# Altium PCB PCB_LU_V2.4PcbDoc.PcbDoc (part 1 of 3) (continued)
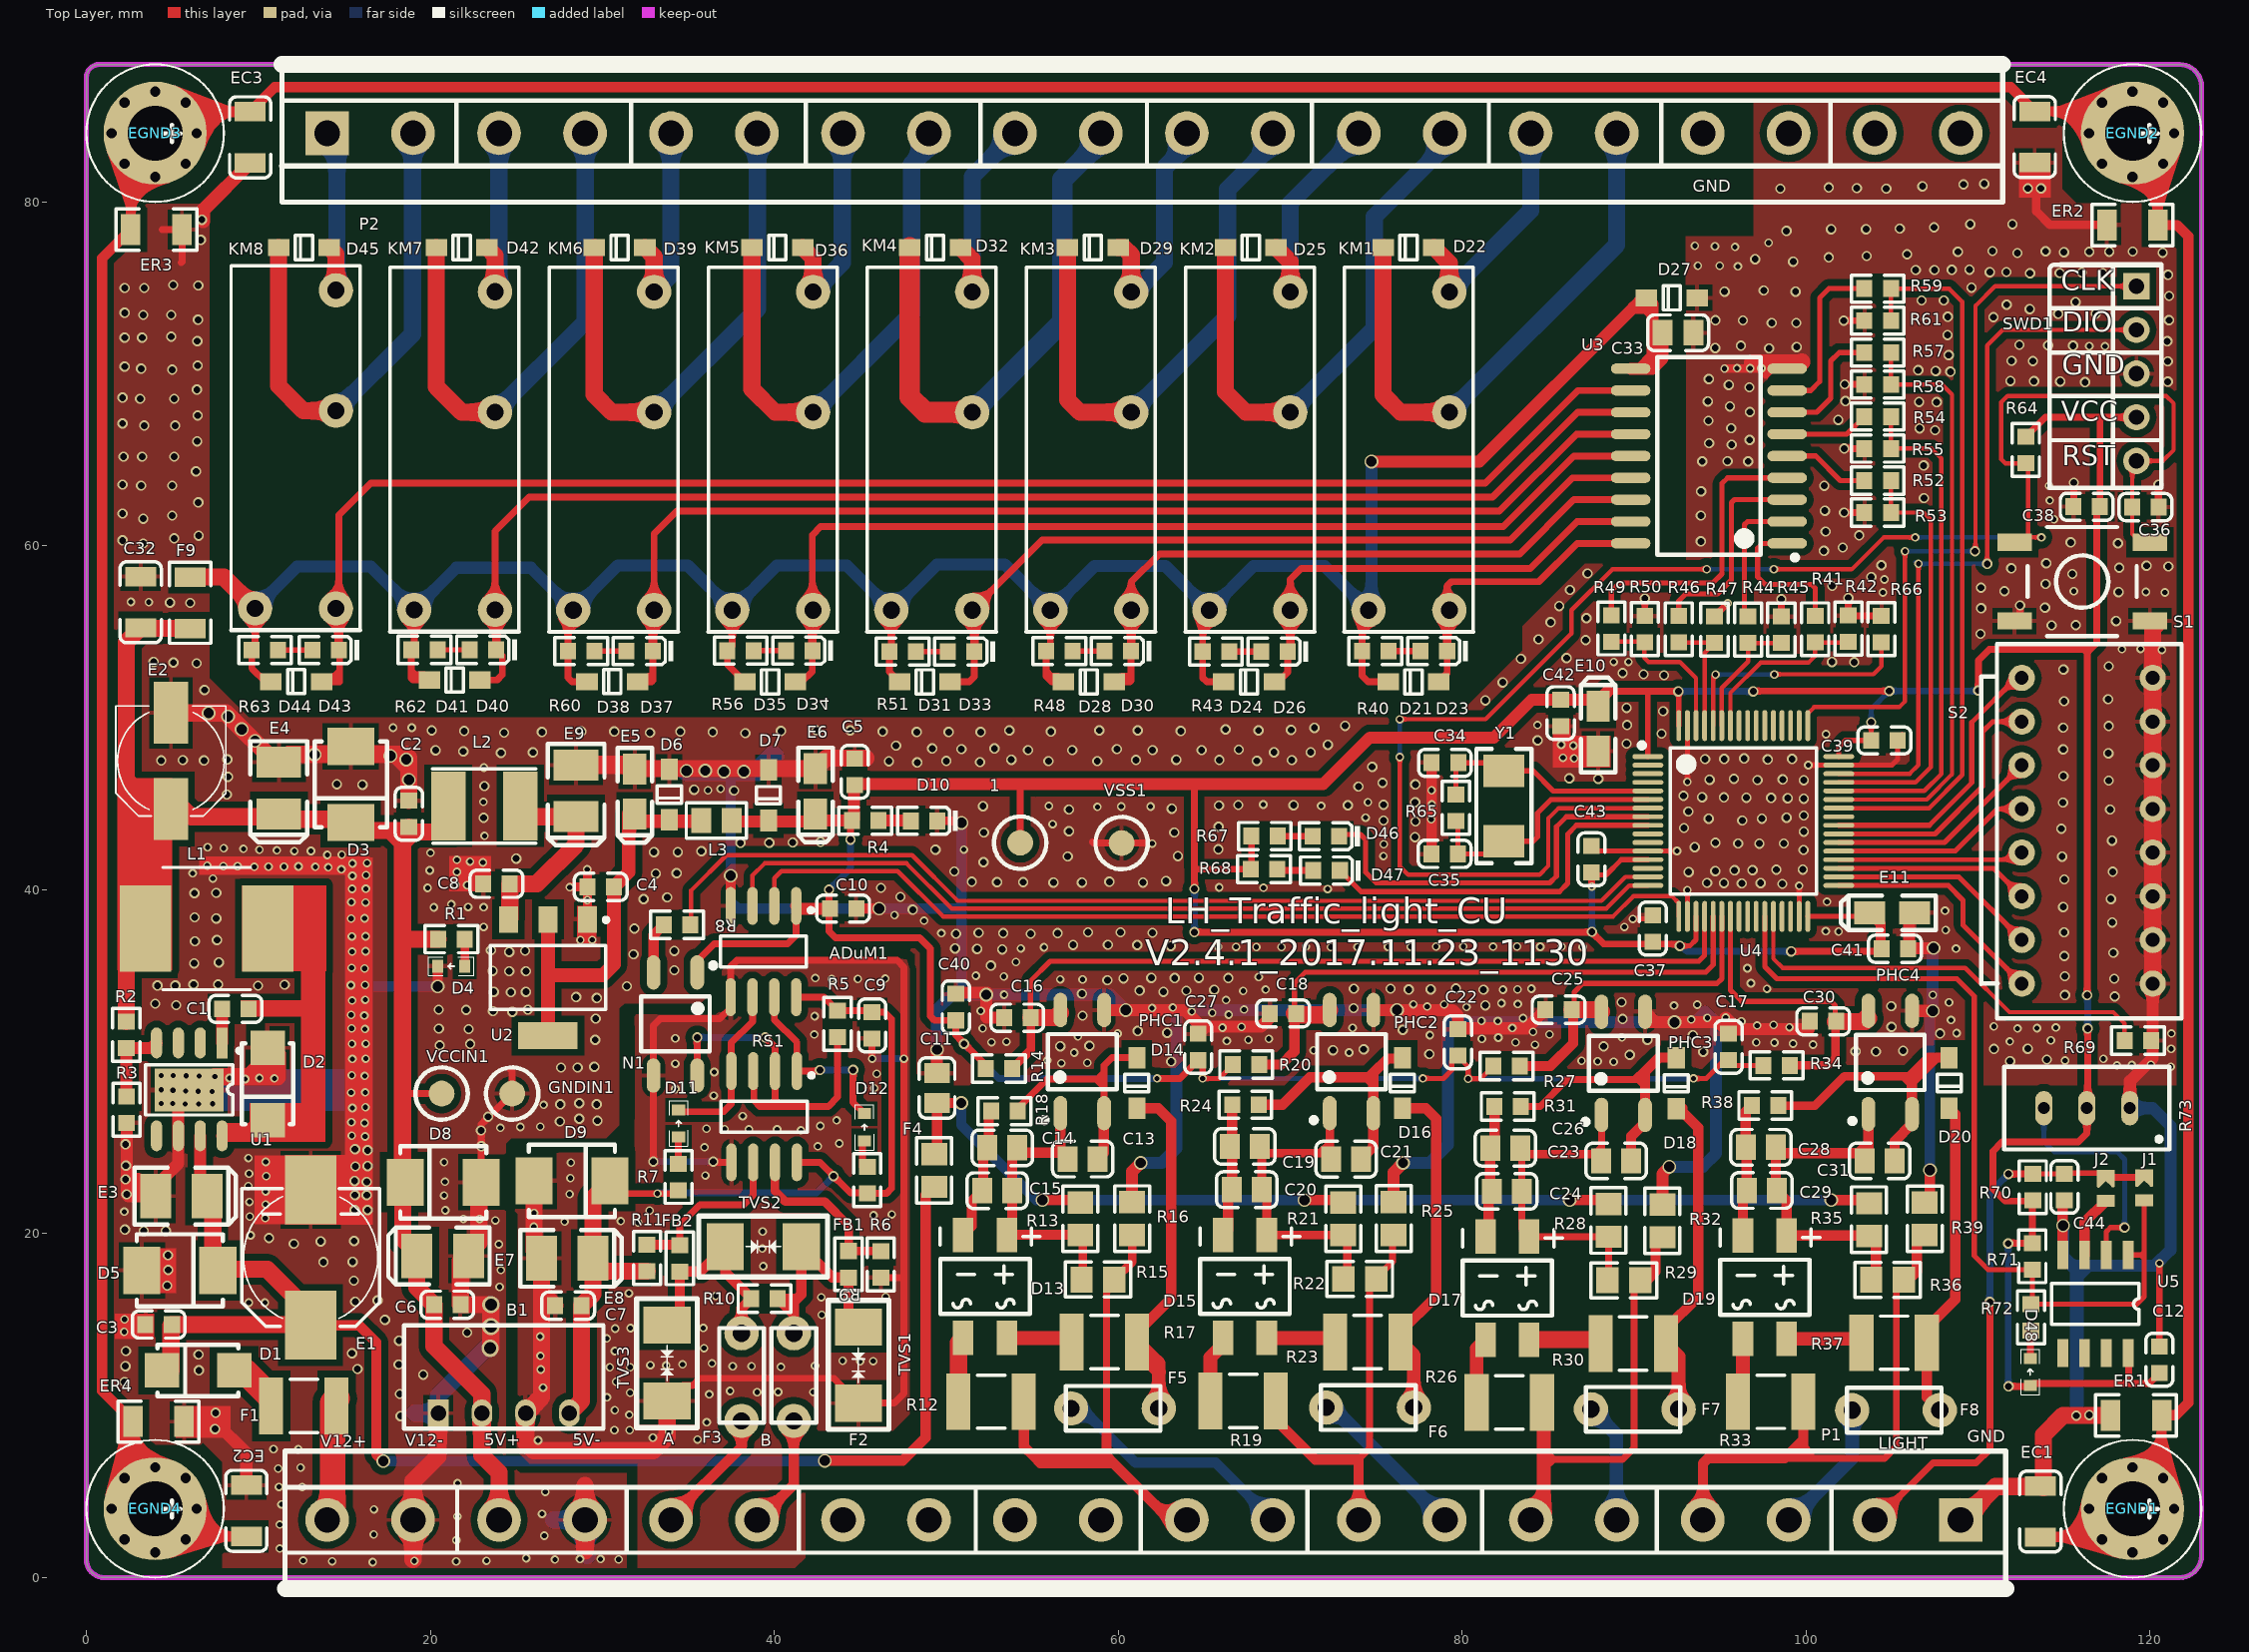
[diagram p0: Top Layer view]
## Components (designator, comment, footprint, x,y, rotation, side; value= is the part's Value field where it differs from the comment) (continued)
J1 "Jump" JT 119.676,22.687 r270 top
J2 "Jump" JT 117.444,22.65 r270 top
KM1 "G5NB-1A-5V" G5NB-1A-5V 74.564,56.268 r0 top
KM2 "G5NB-1A-5V" G5NB-1A-5V 65.314,56.268 r0 top
KM3 "G5NB-1A-5V" G5NB-1A-5V 56.064,56.268 r0 top
KM4 "G5NB-1A-5V" G5NB-1A-5V 46.814,56.268 r0 top
KM5 "G5NB-1A-5V" G5NB-1A-5V 37.564,56.268 r0 top
KM6 "G5NB-1A-5V" G5NB-1A-5V 28.314,56.268 r0 top
KM7 "G5NB-1A-5V" G5NB-1A-5V 19.064,56.276 r0 top
KM8 "G5NB-1A-5V" G5NB-1A-5V 9.814,56.362 r0 top
L1 "Inductor" L-SMD-7 6.99,37.744 r180 top
L2 "22uh" L-40** 23.334,44.878 r0 top
L3 "Inductor" LC-0805_L 36.642,44.026 r0 top
N1 "EL357" lc-sop-4_P2.54 34.252,32.196 r270 top
P1 "Header 20" HDR_5.0_20P 109,3.35 r180 top
P2 "Header 20" HDR_5.0_20P 14,84 r0 top
PHC1 "EL357N(B)(TA)-G" LC-SOP-4_P2.54 57.918,30.004 r90 top
PHC2 "EL357N(B)(TA)-G" LC-SOP-4_P2.54 73.579,30.004 r90 top
PHC3 "EL357N(B)(TA)-G" LC-SOP-4_P2.54 89.382,29.904 r90 top
PHC4 "EL357N(B)(TA)-G" LC-SOP-4_P2.54 104.901,29.954 r90 top
R1 "1K" LC-0603_R 21.236,37.124 r0 top
R2 "10K" LC-0603_R 2.316,31.56 r90 top
R3 "3.24K" LC-0603_R 2.338,27.214 r270 top
R4 "1K" LC-0603_R 45.292,44.018 r0 top
R5 "1K" LC-0603_R 43.682,32.196 r270 top
R6 "1K" LC-0603_R 45.414,23.12 r270 top
R7 "1K" LC-0603_R 34.432,23.298 r90 top
R8 "510R" LC-0603_R 34.344,37.958 r180 top
R9 "1K" LC-0603_R 46.2,18.202 r90 top
R10 "120R" LC-0603_R 39.44,16.222 r0 top
R11 "1K" LC-0603_R 32.605,18.587 r270 top
R12 "4302/1W" 1812 52.616,10.226 r180 top
R13 "Res1" 0805-1 57.808,20.866 r90 top
R14 "10K" LC-0603_R 53.07,29.602 r180 top
R15 "Res1" 0805-1 58.826,17.328 r0 top
R16 "Res1" 0805-1 60.818,20.876 r270 top
R17 "4302/1W" 1812 59.206,13.704 r180 top
R18 "10K" LC-0603_R 53.398,27.124 r180 top
R19 "4302/1W" 1812 67.272,10.274 r180 top
R20 "10K" LC-0603_R 67.451,29.834 r180 top
R21 "Res1" 0805-1 73.096,20.866 r270 top
R22 "Res1" 0805-1 74.056,17.368 r0 top
R23 "4302/1W" 1812 74.514,13.704 r180 top
R24 "10K" LC-0603_R 67.399,27.499 r180 top
R25 "Res1" 0805-1 76.024,20.88 r270 top
R26 "4302/1W" 1812 82.753,10.174 r180 top
R27 "10K" LC-0603_R 82.594,29.75 r180 top
R28 "Res1" 0805-1 88.525,20.766 r270 top
R29 "Res1" 0805-1 89.416,17.286 r0 top
R30 "4302/1W" 1812 89.965,13.604 r180 top
R31 "10K" LC-0603_R 82.662,27.399 r180 top
R32 "Res1" 0805-1 91.656,20.74 r270 top
R33 "4302/1W" 1812 97.951,10.224 r180 top
R34 "10K" LC-0603_R 98.296,29.784 r180 top
R35 "Res1" 0805-1 103.671,20.816 r270 top
R36 "Res1" 0805-1 104.748,17.32 r0 top
R37 "4302/1W" 1812 105.131,13.654 r180 top
R38 "10K" LC-0603_R 97.641,27.449 r180 top
R39 "Res1" 0805-1 106.908,20.864 r270 top
R40 "1K" LC-0603_R 74.968,53.882 r0 top
R41 "200R" LC-0603_R 100.54,55.146 r270 top
R42 "2K" LC-0603_R 102.472,55.182 r90 top
R43 "1K" LC-0603_R 65.686,53.854 r0 top
R44 "200R" LC-0603_R 96.638,55.126 r270 top
R45 "2K" LC-0603_R 98.57,55.126 r90 top
R46 "200R" LC-0603_R 92.606,55.146 r270 top
R47 "2K" LC-0603_R 94.686,55.126 r90 top
R48 "1K" LC-0603_R 56.576,53.88 r0 top
R49 "200R" LC-0603_R 88.686,55.2 r270 top
R50 "2K" LC-0603_R 90.636,55.164 r90 top
R51 "1K" LC-0603_R 47.476,53.854 r0 top
R52 "200R" LC-0603_R 104.174,63.798 r0 top
R53 "2K" LC-0603_R 104.174,61.938 r180 top
R54 "200R" LC-0603_R 104.174,67.519 r0 top
R55 "2K" LC-0603_R 104.174,65.659 r180 top
R56 "1K" LC-0603_R 38.05,53.906 r0 top
R57 "200R" LC-0603_R 104.174,71.239 r0 top
R58 "2K" LC-0603_R 104.174,69.379 r180 top
R59 "200R" LC-0603_R 104.174,74.96 r0 top
R60 "1K" LC-0603_R 28.77,53.88 r0 top
R61 "2K" LC-0603_R 104.174,73.1 r180 top
R62 "1K" LC-0603_R 19.672,53.956 r0 top
R63 "1K" LC-0603_R 10.388,53.938 r0 top
R64 "10K" LC-0603_R 112.79,65.57 r90 top
R65 "1M" LC-0603_R 79.648,44.769 r90 top
R66 "10K" LC-0603_R 104.388,55.164 r270 top
R67 "1K" LC-0603_R 68.528,43.122 r0 top
R68 "1K" LC-0603_R 68.484,41.194 r0 top
R69 "10K" LC-0603_R 119.306,31.222 r180 top
R70 "1K" LC-0603_R 113.196,22.697 r90 top
R71 "1K" LC-0603_R 113.166,18.682 r270 top
R72 "1K" LC-0603_R 113.09,15.13 r90 top
R73 "10K" 3296W 116.338,27.296 r180 top
RS1 "MAX3085E" SOIC-8 39.414,26.802 r270 top
S1 "SW-PB4" sw-4 116.068,57.922 r180 top
S2 "SW-DIP8" SW-DIP8 116.364,43.432 r270 top
SWD1 "Header 5" SWD_5 116.554,71.29 r0 top
TVS1 "P6KE6.8CA" TVS 44.895,14.587 r270 top
TVS2 "P6KE6.8CA" TVS 37.135,19.242 r0 top
TVS3 "P6KE6.8CA" TVS 33.775,10.242 r90 top
U1 "TPS5430" TPS5430 7.89,31.152 r270 top
U2 "ASM1117" SOT223 26.842,34.894 r180 top
U3 "ULN2803" LC-SOIC-18_300mil 94.362,65.226 r90 top
U4 "STM32F103RET6-64" LC-LQFP-64_10x10x05P 96.36,43.998 r270 top
U5 "LM393" sop-8 118.744,18.756 r270 top
VCCIN1 "CHECK" CHECK-B 20.66,28.146 r90 top
VSS1 "CHECK" CHECK-B 60.208,42.712 r270 top
Y1 "25M" LC-SMD-5032_2P 82.436,44.868 r90 top

## Footprints (in the part's own frame and the unit in brackets; to place one, negate y for a bottom-side part, rotate by r counter-clockwise, add the part's x,y. Pads: shape width x height; smd on the part's side, far side on the other; paste and mask are expansions set on the pad)
0603_LED_G [mil]
  rect 25x30 smd: A(-31,1) K(31,1)
  silkscreen extent -52,-20 52,22, body extent -32,-15 31,17, height 24
0805-1 [mm] "0805带丝印"
  rect 1.3x1.5 smd: 1(-0.95,0) 2(0.95,0)
  silkscreen extent -1.91,-1.02 1.91,1.02, body extent -1,-0.62 1,0.63, height 0.5
1812 [mm] "Chip Capacitor, Body 4.5x3.2"
  rect 1.4x3.3 smd: 1(-1.9,0) 2(1.9,0)
  silkscreen extent -0.8,-1.55 0.8,1.55, body extent -2.4,-1.7 2.4,1.7, height 1.4
3296W [mm]
  oval 1x2 hole 0.7: 1(-2.5,0) 2(0,0) 3(2.5,0)
  silkscreen extent -4.8,-2.4 4.8,2.4
B0505D-1WR2 [mm]
  rect 1.2x1.6 hole 0.9: 1(0,0)
  oval 1.2x1.6 hole 0.9: 2(2.54,0) 3(5.08,0) 4(7.62,0)
  silkscreen extent -1.99,-0.9 9.61,5.1
C-RB-SD6 [mm] "贴?"
  rect 3.6x2 smd: 1(-2.794,0) 2(2.794,0)
  silkscreen extent -3.2,-3.2 3.2,3.2
C-RB-SD8 [mm] "贴?"
  rect 4x3 smd: 1(-3.937,0) 2(3.937,0)
  silkscreen extent -4,-4 4,4, body extent -3.95,-3.99 4.02,3.99, height 8
CHECK-B [mm]
  round 1.5 smd: 1(0,0)
  silkscreen extent -1.52,-1.52 1.52,1.52
G5NB-1A-5V [mm]
  round 2 hole 1: 1(0,0) 2(4.7,11.5) 3(4.7,18.5) 4(4.7,0)
  silkscreen extent -1.4,-1.27 6.1,19.94, body extent -1.4,-1.27 6.1,19.94, height 12
H-6-3.2 [mm]
  round 6 hole 3.2: 0(0,0)
  silkscreen extent -4,-4 4,4
HDR_5.0_20P [mm]
  rect 2.54x2.54 hole 1.5: 1(0,0)
  round 2.54 hole 1.5: 2(5,0) 3(10,0) 4(15,0) 5(20,0) 6(25,0) 7(30,0) 8(35,0) 9(40,0) 10(45,0) 11(50,0) 12(55,0) 13(60,0) 14(65,0) 15(70,0) 16(75,0) 17(80,0) 18(85,0) 19(90,0) 20(95,0)
  silkscreen extent -2.64,-4 97.44,4
JT [mm]
  rect 0.6x1.04 smd: 1(-0.745,0)
  oval 0.8x0.2 smd: 1(-0.428,0.42) 1(-0.425,-0.42)
  oval 0.2x0.4 smd rot 45: 1(-0.425,-0.3)
  oval 0.2x0.4 smd rot 135: 1(-0.415,0.295)
  oval 0.2x0.75 smd rot 135: 1(-0.327,0.217)
  oval 0.2x0.75 smd rot 45: 1(-0.327,-0.215)
  rect 0.7x1.04 smd: 2(0.745,0)
L-40** [mm]
  rect 2x4 smd: 1(-2.286,0) 2(1.905,0)
  silkscreen extent -3.21,-2.16 2.79,2.16, body extent -2.67,-2.1 2.54,2.1, height 4
L-SMD-7 [mm]
  rect 3x5 smd: 1(-3.556,0) 2(3.556,0)
  silkscreen extent -2.54,-3.56 2.54,3.56, body extent -3.56,-3.56 3.56,3.56, height 4
LC-0603_C [mm]
  rect 0.93x0.98 smd: 1(-0.77,0) 2(0.77,0)
  silkscreen extent -1.53,-0.79 1.54,0.79, body extent -0.8,-0.4 0.8,0.4, height 0.3
LC-0603_L [mm]
  rect 0.93x0.98 smd: 1(-0.77,0) 2(0.77,0)
  silkscreen extent -1.53,-0.79 1.54,0.79, body extent -0.82,-0.41 0.83,0.41, height 0.46
LC-0603_LED_S1 [mm]
  rect 0.93x0.98 smd: A(0.77,0) K(-0.77,0)
  silkscreen extent -1.97,-0.79 1.54,0.79, body extent -0.8,-0.4 0.8,0.4, height 0.6
LC-0603_R [mm]
  rect 0.93x0.98 smd: 1(-0.77,0) 2(0.77,0)
  silkscreen extent -1.54,-0.79 1.53,0.79, body extent -0.85,-0.4 0.85,0.4, height 0.56
LC-0805_C#1 [mm]
  rect 1.16x1.47 smd: 1(-0.875,0) 2(0.875,0)
  silkscreen extent -1.76,-1.04 1.76,1.04, body extent -1,-0.62 1,0.63, height 0.77
LC-0805_C#2 [mm]
  rect 1.16x1.47 smd: 1(-0.89,0) 2(0.89,0)
  silkscreen extent -1.77,-1.04 1.77,1.04, body extent -1,-0.62 1,0.63, height 0.77
LC-0805_L [mm]
  rect 1.16x1.47 smd: 1(-0.875,0) 2(0.875,0)
  silkscreen extent -1.76,-1.04 1.76,1.03, body extent -1.02,-0.64 1.03,0.64, height 0.6
LC-1206_C [mm]
  rect 1.13x1.8 smd: 1(-1.49,0) 2(1.49,0)
  silkscreen extent -2.36,-1.2 2.35,1.2, body extent -1.6,-0.81 1.6,0.79, height 1
LC-1206_R [mm]
  rect 1.13x1.8 smd: 1(-1.49,0) 2(1.49,0)
  silkscreen extent -2.36,-1.2 2.35,1.2, body extent -1.7,-0.86 1.65,0.87, height 0.85
LC-CASE-A_3216 [mm]
  rect 1.8x1.35 smd: 1(1.31,0) 2(-1.31,0)
  silkscreen extent -2.54,-1 2.97,1, body extent -1.7,-0.84 1.7,0.84, height 1.71
LC-CASE-B_3528 [mm]
  rect 1.8x2.6 smd: 1(1.5,0) 2(-1.5,0)
  silkscreen extent -2.73,-1.65 3.16,1.65, body extent -1.85,-1.47 1.85,1.46, height 2.03
LC-LQFP-64_10x10x05P [mm]
  oval 0.28x1.8 smd mask+0.051: 1(-3.75,-5.55) 2(-3.25,-5.55) 3(-2.75,-5.55) 4(-2.25,-5.55) 5(-1.75,-5.55) 6(-1.25,-5.55) 7(-0.75,-5.55) 8(-0.25,-5.55) 9(0.25,-5.55) 10(0.75,-5.55) 11(1.25,-5.55) 12(1.75,-5.55) 13(2.25,-5.55) 14(2.75,-5.55) 15(3.25,-5.55) 16(3.75,-5.55) 33(3.75,5.55) 34(3.25,5.55) 35(2.75,5.55) 36(2.25,5.55) 37(1.75,5.55) 38(1.25,5.55) 39(0.75,5.55) 40(0.25,5.55) 41(-0.25,5.55) 42(-0.75,5.55) 43(-1.25,5.55) 44(-1.75,5.55) 45(-2.25,5.55) 46(-2.75,5.55) 47(-3.25,5.55) 48(-3.75,5.55)
  oval 1.8x0.28 smd mask+0.051: 17(5.55,-3.75) 18(5.55,-3.25) 19(5.55,-2.75) 20(5.55,-2.25) 21(5.55,-1.75) 22(5.55,-1.25) 23(5.55,-0.75) 24(5.55,-0.25) 25(5.55,0.25) 26(5.55,0.75) 27(5.55,1.25) 28(5.55,1.75) 29(5.55,2.25) 30(5.55,2.75) 31(5.55,3.25) 32(5.55,3.75) 49(-5.55,3.75) 50(-5.55,3.25) 51(-5.55,2.75) 52(-5.55,2.25) 53(-5.55,1.75) 54(-5.55,1.25) 55(-5.55,0.75) 56(-5.55,0.25) 57(-5.55,-0.25) 58(-5.55,-0.75) 59(-5.55,-1.25) 60(-5.55,-1.75) 61(-5.55,-2.25) 62(-5.55,-2.75) 63(-5.55,-3.25) 64(-5.55,-3.75)
  silkscreen extent -4.55,-6.05 4.25,4.25
LC-MBS [mm]
  rect 2x1.2 smd: 1(3,-1.27) 2(-3,1.27) 3(3,1.27) 4(-3,-1.27)
  silkscreen extent -3.4,-2.6 1.6,3.2
LC-SMA(DO-214AC)_S1 [mm]
  rect 2x2 smd: 1(2.1,0) 2(-2.1,0)
  silkscreen extent -2.35,-1.5 2.35,1.5
LC-SMB(DO-214AA)_S1 [mm]
  rect 2.159x2.743 smd: 1(2.21,0) 2(-2.21,0)
  silkscreen extent -2.5,-2.1 2.5,2.1
LC-SMD-5032_2P [mm]
  rect 1.9x2.4 smd: 1(-2.05,0) 2(2.05,0)
  silkscreen extent -3.32,-1.6 3.32,1.6
LC-SOD-123 [mm]
  rect 1.25x1 smd: 1(1.475,0) 2(-1.475,0)
  silkscreen extent -0.5,-0.7 0.5,0.7, body extent -1.85,-0.77 1.85,0.78, height 1.35
LC-SOIC-18_300mil [mm]
  oval 0.6x2.3 smd: 1(-5.08,-4.55) 2(-3.81,-4.55) 3(-2.54,-4.55) 4(-1.27,-4.55) 5(0,-4.55) 6(1.27,-4.55) 7(2.54,-4.55) 8(3.81,-4.55) 9(5.08,-4.55) 10(5.08,4.55) 11(3.81,4.55) 12(2.54,4.55) 13(1.27,4.55) 14(0,4.55) 15(-1.27,4.55) 16(-2.54,4.55) 17(-3.81,4.55) 18(-5.08,4.55)
  silkscreen extent -6.05,-5.15 5.75,3
lc-sop-4_P2.54 [mm]
  oval 2x0.8 smd: 1(-3,1.27) 2(-3,-1.27) 3(3,-1.27) 4(3,1.27)
  silkscreen extent -3.55,-2 1.6,2.35
LC-SOP-4_P2.54 [mm]
  oval 2x0.8 smd: 1(-3,1.27) 2(-3,-1.27) 3(3,-1.27) 4(3,1.27)
  silkscreen extent -3.55,-2 1.6,2.35
ntc250v [mm]
  round 2 hole 1: 1(0,0) 2(5.1,0)
  silkscreen extent -0.3,-1.3 5.2,1.3
SOIC-8 [mm]
  oval 2.2x0.6 smd: 1(-2.654,1.905) 2(-2.654,0.635) 3(-2.654,-0.635) 4(-2.654,-1.905) 5(2.654,-1.905) 6(2.654,-0.635) 7(2.654,0.635) 8(2.654,1.905)
  silkscreen extent -2.52,-2.5 0.9,2.88, body extent -3,-2.45 3,2.45, height 1.7
sop-8 [mil]
  rect 65x25 smd: 1(0,0) 2(0,-50) 3(0,-100) 4(0,-150) 5(224.41,-150) 6(224.41,-100) 7(224.41,-50) 8(224.41,0)
  silkscreen extent 65,-175 159,25
SOT223 [mm]
  rect 1.1x1.55 smd: 1(-2.3,-3.375) 2(0,-3.375) 3(2.3,-3.375)
  rect 3.45x1.55 smd: 4(0,3.375)
  silkscreen extent -3.5,-3.48 3.35,1.85, body extent -3.25,-3.48 3.25,3.48, height 1.7
sw-4 [mm]
  rect 2x1 smd: 1(-3.937,2.286) 2(-3.937,-2.286) 3(3.937,-2.286) 4(3.937,2.286)
  silkscreen extent -3.17,-3.18 3.17,3.18, body extent -3.18,-3.18 3.18,3.18, height 6
SW-DIP8 [mil]
  round 60 hole 31.5: 1(-350,-150) 2(-250,-150) 3(-150,-150) 4(-50,-150) 5(50,-150) 6(150,-150) 7(250,-150) 8(350,-150) 9(350,150) 10(250,150) 11(150,150) 12(50,150) 13(-50,150) 14(-150,150) 15(-250,150) 16(-350,150)
  silkscreen extent -427,-243 430,216, body extent -427,-194 435,206, height 272
SWD_5 [mil]
  rect 60.63x60 hole 35: 1(105,150)
  oval 60.63x60 hole 35: 2(105,50) 3(105,-50) 4(105,-150) 5(105,-250)
  silkscreen extent -94,-312 162,199
TPS5430 [mm]
  rect 1.8x0.65 smd: 1(0.061,0)
  oval 1.8x0.65 smd: 2(0.061,-1.27) 3(0.061,-2.54) 4(0.061,-3.81) 5(5.461,-3.81) 6(5.461,-2.54) 7(5.461,-1.27) 8(5.461,0)
  rect 2.5x4 smd: 9(2.794,-1.905)
  silkscreen extent 0.39,-4.44 4.25,1.14, body extent -0.21,-4.35 5.79,0.55, height 1.7
TVS [mil]
  rect 85x107.99 smd: 1(0.98,0) 2(175,0)
  silkscreen extent -60,-69 235,70

## Part data
1: library part CHE, "测试点"
C1 C2 C3 C4 C5 C8 C37 C38 C39 C40 C41 C42 C43 C44: library part CAP, "Capacitor"
C6 C7 C11 C12 C13 C14 C15 C16 C17 C18 C19 C20 C21 C22 C23 C24 C25 C26 C27 C28 C29 C30 C31 C34 C35 C36 EC1 EC2 EC3 EC4: library part Cap, "Capacitor"
C9 C10: library part CAP
C32 C33: library part "0805 1uF (105) 10% 50V", "贴片电容"
D1: library part D, "二极管"
D2: library part Dio, "稳压二极管"
D3 D5 D6 D7 D8 D9: library part ZENER3, "Zener Diode"
D10: library part "0603 红灯", "发光二极管"
D11 D12 D46 D47 D48: library part 0, "发光二极管"
D13 D15 D17 D19: library part MBS, "整流桥"
D14 D16 D18 D20 D21 D22 D24 D25 D27 D28 D29 D31 D32 D35 D36 D38 D39 D41 D42 D44 D45: library part Diode, "Default Diode"
D23 D26 D30 D33 D34 D37 D40 D43: library part "0805 白灯", "发光二极管"
E1 E2 E4 E5 E6 E7 E8 E9 E10 E11: library part ELECTRO2, "Electrolytic Capacitor"
E3: library part ELECTRO1, "Electrolytic Capacitor"
ER1 ER2 ER3 ER4 R2 R3 R5 R6 R7 R8 R66 R69: library part RES2
F1: "可恢复保险丝"
F2 F3 F4: library part F, "保险丝"
F5 F6 F7 F8: library part Fuse1, "保险丝"
F9: "保险丝"
FB1 FB2 R1 R4 R12 R14 R17 R18 R19 R20 R23 R24 R26 R27 R30 R31 R33 R34 R37 R38 R40 R41 R42 R43 R44 R45 R46 R47 R48 R49 R50 R51 R52 R53 R54 R55 R56 R57 R58 R59 R60 R61 R62 R63 R64 R65: library part Res2, "Resistor"
GNDIN1 VCCIN1 VSS1: library part C, "测试点"
L1 L2 L3: library part Ind, "电感"
N1: library part ST188, "反射式光电传感器"
P1 P2: "Header, 20-Pin"
PHC1 PHC2 PHC3 PHC4: library part EL357N, "贴片光耦"
R9 R10 R11: library part RES
R13 R15 R16 R21 R22 R25 R28 R29 R32 R35 R36 R39 R67 R68 R70 R71 R72: library part R, "贴片电阻"
R73: library part RPot, "Potentiometer"
S1: library part SW-, "微动开关"
S2: "4009 Series DIP Switch, Raised actuator"
SWD1: "Header, 5-Pin"
TVS1 TVS2 TVS3: library part TVS, "TVS"
U2: library part ASM1, "3.3V稳压芯片"
U4: library part STM32F103RBT6
Y1: library part XTAL, "Crystal Oscillator"

## Via types
v1: diameter 0.6, hole 0.4, Top Layer to Bottom Layer, 594 vias
v2: diameter 0.5, hole 0.3, Top Layer to Bottom Layer, 446 vias
v3: diameter 0.8, hole 0.6, Top Layer to Bottom Layer, 68 vias
v4: diameter 1, hole 0.7, Top Layer to Bottom Layer, 3 vias

## Nets (pads, with @x,y where several pads share a name; then routed paths per layer and width w, separated by ;. In a path a pad name is that pad's centre, name@x,y a point inside that pad or via, vN(x,y) a via of type N, cw(c..) or ccw(c..) an arc to the next point about the centre after c; other vN are vias at no path point)
3V3: 1.1 ADuM1.1 C5.2 C10.2 C12.1 C17.1 C22.1 C27.1 C37.2 C38.2 C39.2 C40.2 C41.2 C42.2 C43.2 D7.2 D48.A E6.1 E10.1 E11.1 L3.2 N1.1 R4.1 R14.2 R20.2 R27.2 R34.2 R64.2 R67.1 R68.1 R70.1 R71.1 R73.2 SWD1.4 U4.1 U4.13 U4.19 U4.32 U4.48 U4.64 U5.8 | length 341.8
  Top Layer w0.3: R14.2@52.3,29.602 R14.2@52.3,29.804 ; 55,46.152 55.202,45.95 ; 64.382,46.092 64.434,46.144 ; C27.1@64.654,30.08 64.636,30.062 C27.1@64.916,29.782 ; v2(64.916,29.024) 65.871,29.024 R20.2@66.681,29.834 ; v2(77.726,29.026) 78.924,29.026 79.404,29.506 79.404,29.998 C22.1@79.736,30.33 ; C22.1@79.758,30.352 C22.1@79.736,30.33 ; R27.2@81.824,29.75 81.082,29.008 v2(80.36,29.008) 80.36,29.706 C22.1@79.736,30.33 ; C43.2@87.552,40.864 88.386,40.864 89.27,41.748 U4.13@90.81,41.748 ; U4.1@90.81,47.748 90.81,51.536 ; v1@92.558,36.846 v1(92.672,36.732) 93.244,36.732 93.61,37.098 U4.19@93.61,38.448 ; U4.64@92.61,49.548 v1@92.61,51.546 ; v2(93.46,29.024) 94.2,29.024 95.294,30.118 C17.1@95.536,30.118 ; C17.1@95.784,30.118 C17.1@95.536,30.118 ; R34.2@97.526,29.784 95.87,29.784 C17.1@95.536,30.118 ; U4.32@100.11,38.448 103.486,38.448 E11.1@103.702,38.664 ; U4.48@101.91,47.748 101.91,48.3 102.294,48.684 C39.2@103.796,48.684 v1(103.796,49.744) ; v1(111.764,19.426) v1@111.79,19.452 ; D48.A@113.082,11.122 D48.A@113.252,11.292 ; R71.1@113.166,19.452 R71.1@113.188,19.43 ; R70.1@113.166,21.897 R70.1@113.196,21.927
  Top Layer w0.4: N1.1@35.522,35.196 35.522,35.864 36.518,36.86 40.778,36.86 41.279,37.361 ADuM1.1@41.279,39.06 ; v1(43.19,40.006) 43.19,37.572 43.558,37.204 48.458,37.204 49.08,36.582 49.08,32.648 49.326,32.402 C40.2@50.568,32.402 50.568,31.536 R14.2@52.3,29.804 ; v1(44.438,42.918) 44.438,43.934 R4.1@44.522,44.018 ; 1.1@54.306,42.734 54.306,46.152 ; v2(62.268,29.026) 63.6,29.026 C27.1@64.636,30.062 ; v1(64.434,37.532) 87.548,37.532 88.234,36.846 v1@92.558,36.846 ; 64.434,46.144 64.434,41.248 ; v1(64.44,40.048) 64.44,41.242 64.434,41.248 ; v2(64.916,29.024) C27.1@64.916,29.782 ; R68.1@67.714,41.194 64.488,41.194 64.434,41.248 ; R68.1@67.758,41.238 R67.1@67.758,43.122 ; v2(87.55,40.192) C43.2@87.55,41.052 ; E10.1@87.832,51.126 E10.1@88.062,51.126 ; E10.1@88.482,51.546 v1@92.61,51.546 ; v1(96.936,51.538) 96.94,51.534 96.964,51.558 v1(104.848,51.558) ; v1(99.144,36.414) 104.256,36.414 C41.2@104.346,36.504 ; v1(110.03,51.588) 110.03,53.35 110.662,53.982 116.152,53.982 ; v1(111.786,11.122) D48.A@113.082,11.122 ; v1@111.79,19.452 R71.1@113.166,19.452 113.166,21.897 111.589,21.897 110.87,22.616 110.87,24.794 111.404,25.328 115.838,25.328 116.338,25.828 R73.2@116.338,27.296 116.388,27.346 v1(116.388,31.93) ; R64.2@112.79,66.34 113.93,67.48 SWD1.4@119.221,67.48 ; D48.A@113.252,11.292 118.782,11.292 ; v1(116.36,33.872) 116.36,53.774 ; 116.44,53.854 116.36,53.774 ; C38.2@116.916,62.204 116.916,54.354 116.544,53.982 116.152,53.982 ; C38.2@117.102,62.276 117.102,67.446 ; U5.8@118.744,13.056 118.782,13.018 118.782,11.292 ; C12.1@120.558,11.894 119.956,11.292 118.782,11.292 ; 116.152,53.982 116.36,53.774
  Top Layer w0.6: E11.1@103.702,38.664 104.346,38.02 C41.2@104.346,36.504
  Top Layer w0.7: L3.2@37.517,43.978 41.956,43.978 E6.1@42.396,44.418 42.796,44.018 R4.1@44.522,44.018 ; ADuM1.1@41.279,39.06 41.437,38.902 C10.2@42.944,38.902 ; R4.1@44.628,44.124 C5.2@44.628,46.084 ; C5.2@44.628,46.152 54.306,46.152 55,46.152 71.938,46.152 74.642,48.856 81.86,48.856 84.046,51.042 C42.2@85.74,51.042 87.978,51.042 E10.1@88.482,51.546
  Bottom Layer w0.3: v2(64.916,29.024) 77.724,29.024 v2(77.726,29.026) ; v2@80.444,28.924 v2(80.36,29.008) 93.444,29.008 v2(93.46,29.024) ; v1(103.796,49.744) 103.796,50.506 v1(104.848,51.558) ; v1@111.764,11.144 v1(111.786,11.122)
  Bottom Layer w0.4: v1(43.19,40.006) 44.438,41.254 v1(44.438,42.918) ; v1(51.044,31.04) 53.058,29.026 v2(62.268,29.026) ; v1(64.434,37.532) 64.44,37.538 v1(64.44,40.048) ; v1(87.556,37.55) v2@87.556,40.186 ; v1(92.582,51.538) v1(96.936,51.538) ; v1(92.672,36.732) 92.772,36.732 93.09,36.414 v1(99.144,36.414) ; v1(104.848,51.558) 110,51.558 v1(110.03,51.588) ; v1@111.764,11.144 v1(111.764,19.426) ; v1@116.338,33.85 116.388,33.8 v1(116.388,31.93)
A/D_IN1: P1.10 R12.1 R15.2 R16.2 | length 32.3
  Top Layer w0.4: 59.33,8.342 59.33,16.594 59.854,17.118 R15.2@59.854,17.39
  Top Layer w0.5: R15.2@59.854,17.39 60.818,18.354 R16.2@60.818,19.926
  Top Layer w0.6: R12.1@54.516,10.226 54.516,7.624 55.118,7.022 ; 59.33,8.342 59.33,7.396 ; P1.10@64,3.35 63.036,3.35 59.722,6.664 ; 55.118,7.022 58.956,7.022 59.33,7.396 ; 55.118,7.022 55.476,6.664 59.722,6.664 ; 59.33,7.396 59.33,7.056 59.722,6.664
A/D_IN2: F5.1 P1.9 | length 14.4
  Bottom Layer w0.6: F5.1@57.266,9.838 57.852,9.838 61.008,6.682 65.668,6.682 P1.9@69,3.35
A/D_IN2-2: D14.2 F5.2 R17.1 | length 21.3
  Top Layer w0.6: R17.1@61.106,13.704 61.106,14.254 63.09,16.238 63.09,26.536 62.339,27.287 D14.2@61.216,27.287
  Top Layer w0.8: R17.1@61.106,13.704 61.942,12.868 ; F5.2@62.366,9.838 62.366,11.976 ; 62.384,11.958 62.366,11.976 ; 61.942,12.868 62.366,12.444 62.366,11.976 ; 61.942,12.868 61.942,12.4 62.366,11.976
A/D_IN3: P1.8 R19.1 R22.2 R25.2 | length 24.4
  Top Layer w0.4: 73.984,6.864 74.626,7.506 R22.2@74.626,17.368 ; R22.2@75.23,17.072 75.23,17.644 75.966,18.38 R25.2@75.966,19.926
  Top Layer w0.6: R19.1@69.172,10.274 69.172,9.158 71.466,6.864 73.984,6.864 73.984,5.208 74,5.224 P1.8@74,3.35
A/D_IN4: F6.1 P1.7 | length 9.6
  Bottom Layer w0.8: F6.1@72.1,9.884 72.466,9.884 P1.7@79,3.35
A/D_IN4-2: D16.2 F6.2 R23.1 | length 19.7
  Top Layer w0.6: R23.1@76.414,13.704 76.414,14.274 78.498,16.358 78.498,26.68 77.891,27.287 D16.2@77.022,27.287
  Top Layer w0.8: R23.1@76.414,13.704 77.2,12.918 F6.2@77.2,9.884
A/D_IN5: P1.6 R26.1 R29.2 R32.2 | length 27
  Top Layer w0.4: 84.718,6.87 84.759,6.87 85.323,6.87 ; 84.759,6.344 84.797,6.344 85.323,6.87 ; 84.759,7.434 85.323,6.87 ; R29.2@90.366,17.286 90.004,16.924 90.004,7.536 89.338,6.87 85.323,6.87
  Top Layer w0.6: R26.1@84.653,10.174 R26.1@84.759,10.068 ; R29.2@90.747,17.29 91.255,17.798 R32.2@91.255,19.826
  Top Layer w0.8: P1.6@84,3.35 84.759,4.109 84.759,6.344 84.759,6.87 84.759,7.434 R26.1@84.759,10.068
A/D_IN6: F7.1 P1.5 | length 7.1
  Bottom Layer w0.8: F7.1@87.5,9.784 88.984,8.3 88.984,3.608 P1.5@88.762,3.386
A/D_IN6-2: D18.2 F7.2 R30.1 | length 19.1
  Top Layer w0.6: R30.1@91.865,13.604 91.865,14.279 91.865,14.463 93.73,16.328 93.73,26.156 92.804,27.082 D18.2@92.804,27.287
  Top Layer w0.8: R30.1@91.865,13.604 92.6,12.869 F7.2@92.6,9.784 ; R30.1@91.865,14.279 R30.1@91.865,14.375
A/D_IN7: P1.4 R33.1 R36.2 R39.2 | length 34.3
  Top Layer w0.4: 98.776,6.942 99.674,6.942 ; 99.194,7.36 99.256,7.36 99.674,6.942 ; 99.851,8.017 99.674,7.84 99.674,7.226 ; R36.2@105.788,17.308 105.26,16.78 105.26,7.626 104.576,6.942 99.958,6.942 ; R36.2@105.981,17.089 R36.2@105.981,17.34 ; 99.674,6.942 99.674,7.226 ; 99.674,6.942 99.958,6.942 ; 99.674,7.226 99.958,6.942
  Top Layer w0.6: P1.4@93.702,3.464 94.012,3.774 94.012,6.626 94.328,6.942 98.776,6.942 99.194,7.36 99.674,7.84 ; R33.1@99.851,10.224 99.851,8.017 99.851,7.531 100.196,7.186 ; R36.2@105.981,17.34 106.45,17.809 R39.2@106.45,19.687
A/D_IN8: F8.1 P1.3 | length 7.9
  Bottom Layer w0.8: P1.3@99.042,3.308 102.688,6.954 F8.1@102.688,9.728
A/D_IN8-2: D20.2 F8.2 R37.1 | length 17.6
  Top Layer w0.6: 107.031,10.485 R37.1@107.031,13.654 107.031,14.525 108.68,16.174 108.68,26.939 D20.2@108.332,27.287
ADDR_0: S2.8 U4.33 | length 13.8
  Top Layer w0.3: U4.33@101.91,40.248 108.28,40.248 109.146,39.382 109.146,37.95 S2.8@112.554,34.542
ADDR_1: S2.7 U4.34 | length 12.2
  Top Layer w0.3: U4.34@101.91,40.748 108.888,40.748 S2.7@112.554,37.082
ADDR_2: S2.6 U4.35 | length 11.3
  Top Layer w0.3: U4.35@101.91,41.248 110.928,41.248 S2.6@112.554,39.622
ADDR_3: S2.5 U4.36 | length 10.9
  Top Layer w0.254: U4.36@101.91,41.748 112.14,41.748 S2.5@112.554,42.162 S2.5@112.554,42.248
ADDR_4: S2.4 U4.37 | length 11.7
  Top Layer w0.3: U4.37@101.91,42.248 108.686,42.248 111.14,44.702 S2.4@112.554,44.702
ADDR_5: S2.3 U4.38 | length 12.5
  Top Layer w0.3: U4.38@101.91,42.748 108.06,42.748 S2.3@112.554,47.242
ADDR_6: S2.2 U4.39 | length 15.2
  Top Layer w0.3: U4.39@101.91,43.248 107.512,43.248 110.276,46.012 110.276,49.192 110.866,49.782 S2.2@112.554,49.782
ADDR_7: S2.1 U4.40 | length 16.2
  Top Layer w0.3: U4.40@101.91,43.748 107.174,43.748 109.65,46.224 109.65,49.726 112.246,52.322 S2.1@112.554,52.322
AT_SCL: U4.11
AT_SDA: U4.10
BOOT0: R66.2 U4.60 | length 14.4
  Top Layer w0.254: U4.60@94.61,49.548 94.61,52.378 v2(94.746,52.514) ; v2@98.166,52.535 103.921,52.535 104.388,53.002 R66.2@104.388,54.394
  Bottom Layer w0.254: v2@94.83,52.598 v2(94.746,52.514) v2(98.166,52.514)
BOOT1: R69.2 U4.28 | length 25.4
  Top Layer w0.254: U4.28@98.11,38.448 98.11,35.992 98.654,35.448 109.268,35.448 111.836,32.88 117.876,32.88 118.536,32.22 R69.2@118.536,31.222
EGND: EC1.1 EC2.1 EC3.1 EC4.1 EGND1.0 EGND2.0 EGND3.0 EGND4.0 ER1.1 ER2.1 ER3.1 ER4.1 | length 362.3
  Top Layer w0.4: v3(4,1.46) 2.984,1.46 v3(2.222,2.222) 1.46,2.984 v3(1.46,4) 1.46,5.016 v3(2.222,5.778) ; v3(4,86.413) EGND3.0@4,86.32 ; EGND1.0@119,4 v3(119,1.46) ; v3(120.778,2.222) EGND1.0@119.762,2.222 ; v3(120.778,85.778) EGND2.0@119.635,85.778 ; v3(2.222,5.778) 2.702,6.258 2.857,6.413 v3(4,6.413) 4.635,5.778 v3(5.778,5.778) ; v3(2.222,5.778) EGND4.0@4,4 ; v3(2.222,85.778) 3.458,85.778 EGND3.0@4,86.32 ; v3(2.222,85.778) 2.222,84.762 v3(1.46,84) 2.222,83.238 v3(2.222,82.222) 3.238,82.222 v3(4,81.46) 4.762,82.222 v3(5.778,82.222) 5.778,83.365 v3(6.413,84) 5.778,84.635 v3(5.778,85.778) 4.858,85.778 4.158,86.478 EGND3.0@4,86.32 ; v3(2.222,85.778) EGND3.0@4,84 EGND3.0@4,86.32 ; EGND4.0@4,4 4,1.842 4.38,2.222 v3(5.778,2.222) 5.778,3.365 v3(6.413,4) 5.778,4.635 v3(5.778,5.778) ; EGND4.0@4,4 v3(5.778,5.778) ; v3(119,1.46) EGND1.0@119.762,2.222 ; v3(119,1.46) 117.984,1.46 v3(117.222,2.222) 117.098,2.346 116.46,2.984 v3(116.46,4) 116.46,5.016 v3(117.222,5.778) 117.857,6.413 v3(119,6.413) 119.551,5.862 120.694,5.862 120.694,4.719 v3(121.413,4) 120.714,3.301 120.714,2.502 120.042,2.502 EGND1.0@119.762,2.222 ; EGND2.0@119.635,85.778 119.741,85.672 120.708,85.672 120.708,84.705 v3(121.413,84) 120.778,83.365 v3(120.778,82.222) 119.762,82.222 v3(119,81.46) 118.238,82.222 v3(117.222,82.222) 117.222,83.238 v3(116.46,84) 117.222,84.762 v3(117.222,85.778) 118.365,85.778 v3(119,86.413) EGND2.0@119.635,85.778
  Top Layer w0.6: v3(2.222,5.778) 2.222,9.546 0.908,10.86 0.908,76.716 ER3.1@2.58,78.388 2.58,81.864 v3(2.222,82.222) ; EGND4.0@2.702,6.258 ER4.1@2.702,9.066 ; v3(5.778,2.222) 5.946,2.39 EC2.1@9.302,2.39 ; v3(5.778,85.778) 6.306,85.25 EC3.1@9.53,85.25 10.952,86.672 111.906,86.672 EC4.1@113.306,85.272 116.716,85.272 v3(117.222,85.778) ; EC1.1@113.64,2.346 EGND1.0@117.098,2.346 ; EGND1.0@120.694,5.862 ER1.1@120.694,9.434 121.526,9.434 122.25,10.158 122.25,77.994 121.584,78.66 ER2.1@120.482,78.66 120.482,81.926 v3(120.778,82.222)
  other v3: 120.778,5.778